# Altium PCB 水杯V1.2_ZM_20210817.PcbDoc (continued)
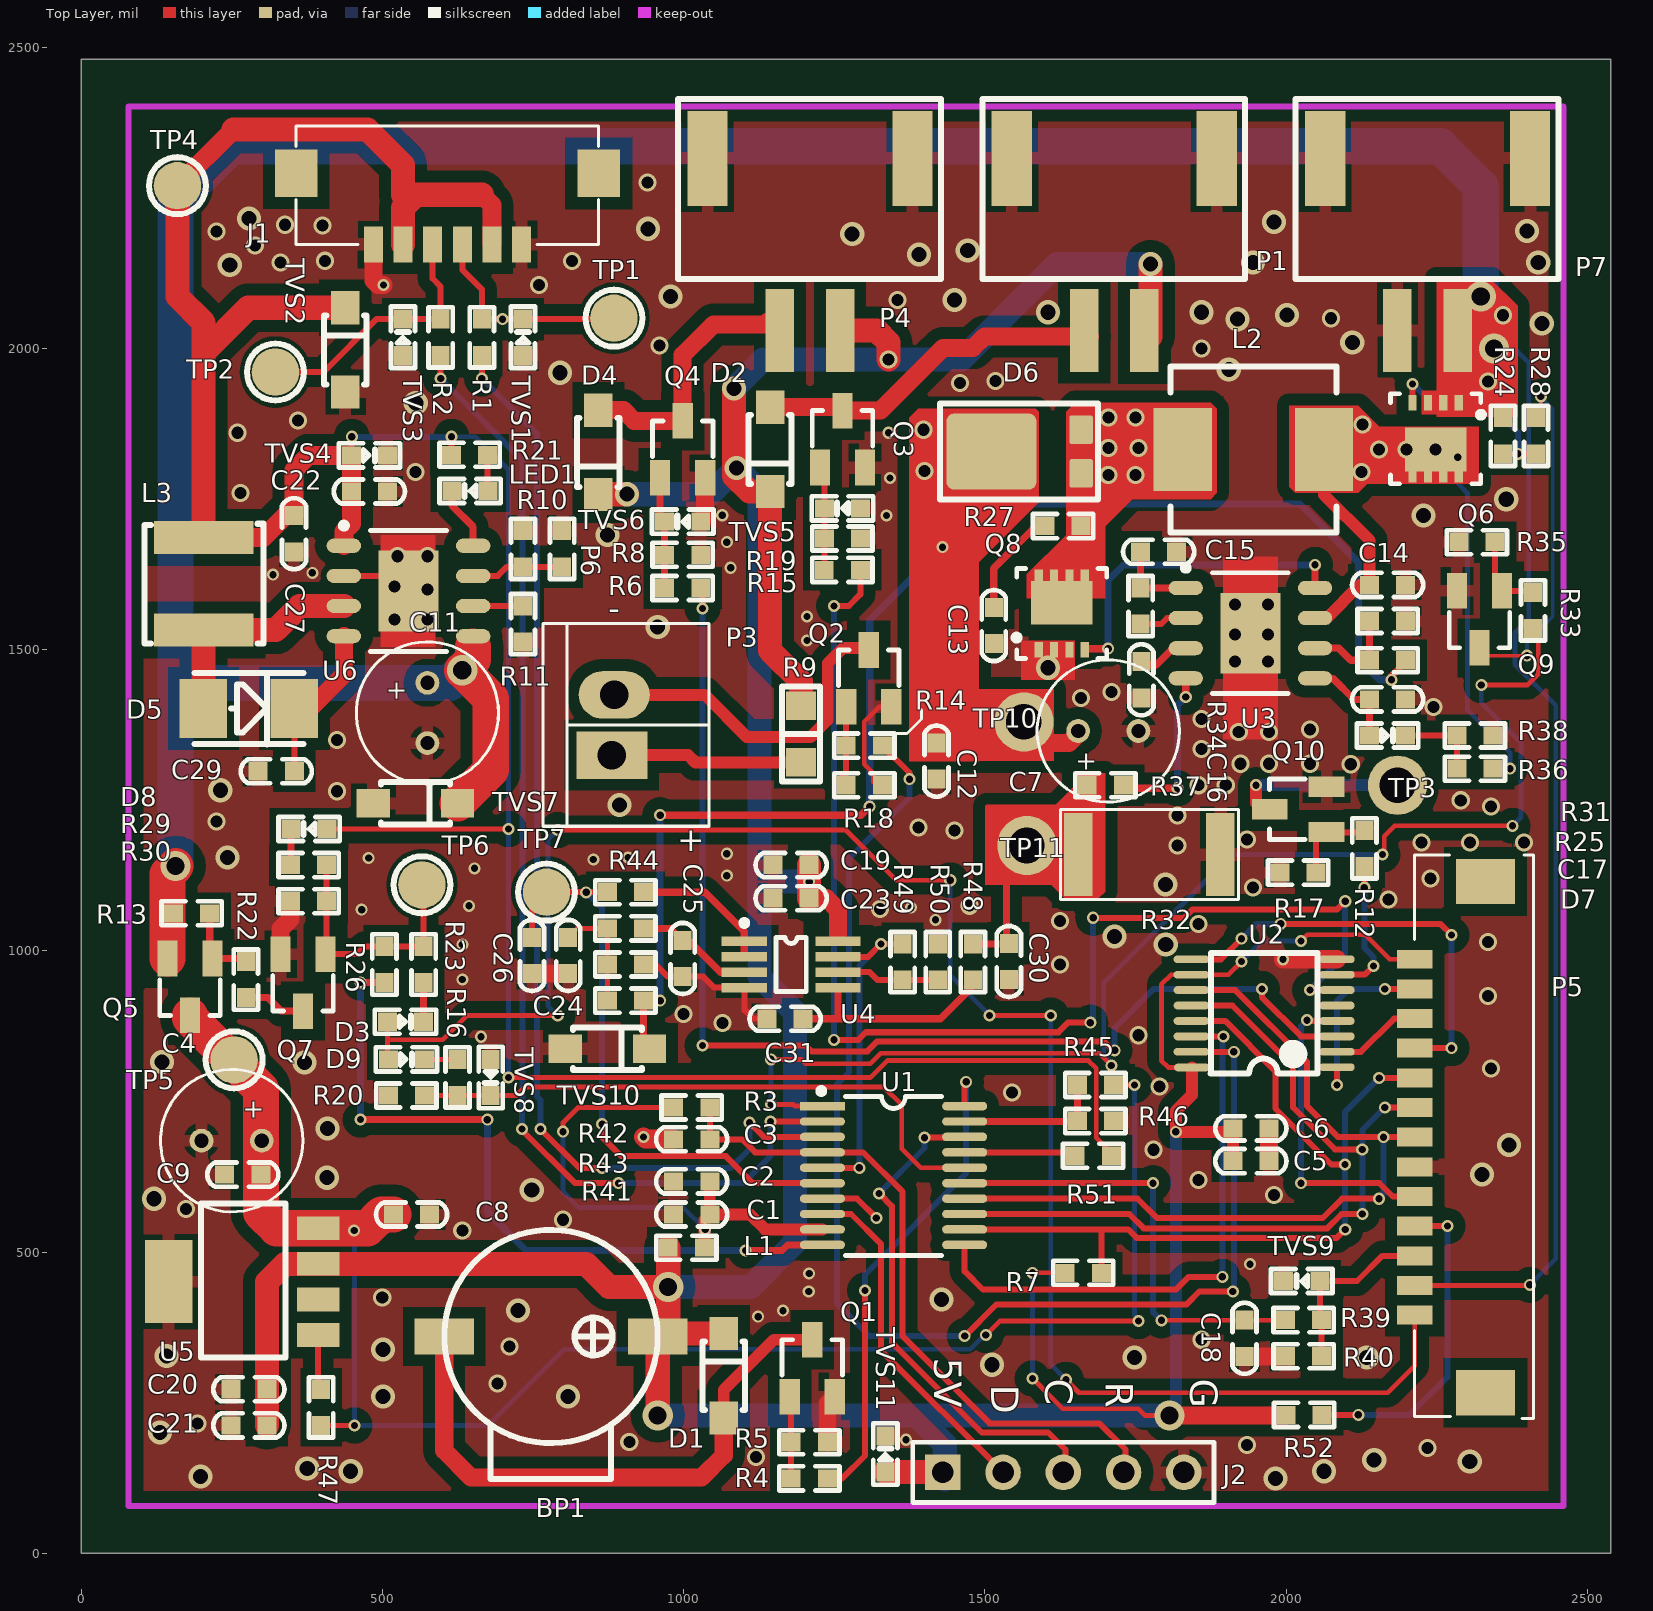
[diagram p0: Top Layer view]
## Footprints (in the part's own frame and the unit in brackets; to place one, negate y for a bottom-side part, rotate by r counter-clockwise, add the part's x,y. Pads: shape width x height; smd on the part's side, far side on the other; paste and mask are expansions set on the pad) (continued)
TP [mm] "Test Point"
  round 2 smd: 1(0,0)
  silkscreen extent -1.2,-1.2 1.2,1.2
TSSOP20 [mm] "20-pin, 4.40 mm body, 0.65"
  rect 1.9x0.356 smd: 1(-3,2.921)
  oval 1.9x0.356 smd: 2(-3,2.271) 3(-3,1.621) 4(-3,0.971) 5(-3,0.321) 6(-3,-0.329) 7(-3,-0.979) 8(-3,-1.629) 9(-3,-2.279) 10(-3,-2.929) 11(3,-2.929) 12(3,-2.279) 13(3,-1.629) 14(3,-0.979) 15(3,-0.329) 16(3,0.321) 17(3,0.971) 18(3,1.621) 19(3,2.271) 20(3,2.921)
  silkscreen extent -3.17,-3.38 2.03,3.68, body extent -3.27,-3.3 3.28,3.3, height 1.2

## Part data
BP1: library part SPEAKER, "无源蜂鸣器 3.3V 频率2731"
C1 C2 C3 C5 C6 C9 C12 C13 C14 C15 C16 C17 C18 C19 C23 C24 C25 C29 C30 C31: library part CAP4, "贴片电容 10%"
C4 C7 C11: library part CAP2, "电解电容"
C8 C20 C27: library part CAP, "Capacitor"
C21: library part C, "C"
C22: library part CAP4, "贴片电容 20%"
C26: library part C, "贴片电容 10%"
D1 D2 D3 D4 D7 D8 D9: library part DIODE2, "小封装二极管"
D5 D6: library part DIODE2, "肖特基二极管"
J1: library part SIP-6, "USB 3.1 Type-C 2.0短体母座 6P贴片式"
J2: library part SIP-5, "下载口(NC)"
L1: library part CIZHU1, "贴片磁珠100R 100M"
L2 L3: library part Inductor1, "10uH 1A"
LED1: library part LED0, "LED 3528 蓝"
P1 P4 P7: library part SIP-2, "间距2.0mm 立贴 2Pin"
P3: "Header, 2-Pin"
P5: "Header, 13-Pin"
P6: library part RES3, "卧贴"
Q1 Q2 Q7 Q9 Q10: library part NPN-1, "NPN"
Q3 Q4 Q8: library part "MOSFET N", "MOSFET N"
Q5: library part "MOSFET P", "MOSFET P"
Q6: library part MOSFET-P-B, "MOSFET-P"
R1 R2 R3 R4 R5 R6 R7 R8 R9 R12 R14 R15 R17 R18 R19 R42 R45 R46 R48 R49 R50 R51: library part RES0, "贴片电阻 5%"
R10 R11 R44: library part R, "贴片电阻 1%"
R13 R16 R20 R21 R22 R23 R24 R25 R26 R27 R28 R29 R30 R31 R32 R33 R34 R35 R36 R37 R38 R39 R40 R47 R52: library part R, "贴片电阻 5%"
R41 R43: library part RES0, "贴片电阻 1%"
TP1 TP2 TP4 TP5 TP6 TP7: library part TP-1, "测试点"
TVS1 TVS2 TVS3 TVS4 TVS5 TVS6 TVS7 TVS8 TVS9 TVS10 TVS11: library part TVS-1, "ESD二极管"
U1: "新唐MCU"
U2: "逻辑IC"
U4: library part LM358, "运放"
U6: library part CS5095E

## Via types
v1: diameter 20, hole 12, Top Layer to Bottom Layer, tented both sides, 138 vias
v2: diameter 30, hole 20, Top Layer to Bottom Layer, tented both sides, 105 vias
v3: diameter 40, hole 25, Top Layer to Bottom Layer, tented both sides, 61 vias
v4: diameter 50, hole 30, Top Layer to Bottom Layer, tented both sides, 7 vias

## Nets (pads, with @x,y where several pads share a name; then routed paths per layer and width w, separated by ;. In a path a pad name is that pad's centre, name@x,y a point inside that pad or via, vN(x,y) a via of type N, cw(c..) or ccw(c..) an arc to the next point about the centre after c; other vN are vias at no path point)
CE: P5.8 U1.13 U2.12 | length 1344
  Top Layer w10: U1.13 1739.92,563.3 1763.62,539.6 2068.72,539.6 2092.42,563.3 v1(2126.65,563.3) ; U2.12 1910.83,909.34 2011.57,808.61 2011.57,740.36 2081.56,670.37 v1(2126.52,670.37) ; v1(2164.03,740.07) P5.8
  Bottom Layer w10: v1(2126.65,563.3) 2126.65,702.7 v1(2164.03,740.07)
CLK: P5.7 U1.14 U2.11 | length 1334.8
  Top Layer w10: U1.14 1753.5,588.89 1786.07,556.32 2060.52,556.32 2093.09,588.89 2153.89,588.89 v1(2154.17,588.61) ; U2.11 1915.75,934.93 2035,815.69 2035,742.3 2086.44,690.86 v1(2161.74,690.86) P5.7
  Bottom Layer w10: v1(2154.17,588.61) 2161.74,596.18 v1(2161.74,690.86)
DAT: U1.11 U2.14 | length 945.6
  Top Layer w10: U1.11 1466.71,468.2 1497.03,437.88 1817.13,437.88 1838.27,459.02 v1(1894.29,459.02) ; U2.14 1895.72,858.16 v1(1895.97,857.92)
  Bottom Layer w10: v1(1894.29,459.02) 1894.29,856.24 v1(1895.97,857.92)
GND: C1.1 C2.1 C3.2 C4.2 C5.1 C6.1 C7.2 C8.2 C9.1 C11.2 C12.2 C13.2 C14.1 C15.1 C16.1 C17.1 C18.1 C19.1 C20.2 C21.1 C22.1 C23.1 C24.1 C25.1 C26.2 C27.2 C29.1 C30.1 C31.1 J1.1 J1.6 J2.5 P1.3 P1.4 P4.3 P4.4 P5.6 P6.1 P7.2 P7.3 P7.4 Q1.2 Q2.2 Q3.2 Q4.2 Q7.2 Q8.3 Q9.2 Q10.2 R5.2 R8.1 R10.1 R11.1 R17.2 R18.2 R19.1 R20.1 R30.1 R31.2 R32.1 R35.1 R38.2 R40.1 R43.1 R46.2 R50.2 TVS1.1 TVS2.1 TVS3.1 TVS4.2 TVS5.1 TVS6.1 TVS7.1 TVS8.1 TVS9.2 TVS10.1 TVS11.2 U1.7 U2.8 U3.9 U4.4 U5.5 U6.2 U6.9 | length 1289.8
  Top Layer w8: R18.2@1315,1280 1315,1295 1300,1310 1300,1380 1325,1405 Q2.2
  Top Layer w10: U6.2 518.6,1622.43 U6.9 ; R43.1 953.6,977.43 973.6,957.43 C25.1 1032.78,957.43 1051.16,939.05 U4.4 1100.85,901.3 1102.13,901.3 1116,887.43 C31.1 ; U1.7 1287.92,588.89 v1(1319.96,556.84)
  Top Layer w30: Q7.2 331.2,1036.2 347.6,1052.6 R30.1 ; J1.6 485.18,2112.86 492.7,2105.33 v1(502.16,2105.33) ; C26.2 C24.1 ; TVS6.1@1036.01,1719.84 Q4.2 ; R5.2 1238.76,247.95 Q1.2 ; C18.1 1998.91,327.08 R40.1 ; C5.1 C6.1 ; v1(1994.89,986.11) U2.8
  Top Layer w31.5: v1(933.6,691.25) 936.83,688.03 C3.2@983.6,688.03
  other v1: 1369.4,188.64 1123.89,392.89 1165,402.93 1207.84,434.86 1208.6,464.64 1940,480 663.97,857.52 632.82,952.59 632.82,1010.42 1418.2,1051.55 465.82,1068.48 1377.5,1071.73 644.05,1074.9 1071.91,1124.91 653.1,1137.09 850.31,1151.81 477.49,1154.06 907.95,1155.11 1071.91,1161.21 1205,1515 1205,1555 318.7,1624.46 383.95,1627.46 1078.34,1635.91 1071.91,1678.34 1337.09,1722.43 1064.26,1723.04 1342.77,1784.8 1340,1860
  other v2: 1120,160 2235,175 1935,180 910,185 193.5,215.81 690.96,282.22 711.29,343.37 1859.94,354.68 500,425 632.82,535.98 799.97,553.81 174.35,571.75 1980,595 1855,620 1780,670 1545,765 1790,775 2340,805 1755,860 1065,880 1000,895 2335,925 1625.08,977.43 2335,1015 1855,1045 1625.08,1049.54 1325.81,1069.2 1475,1075 2170,1085 1945,1105 2240,1120 1820,1175 2225,1180 2305,1180 2395,1180 1935,1185 1450,1200 1390,1205 225,1215 1820,1225 2340,1240 2290,1250 425,1265 1855,1275 1900,1275 2107.4,1309.82 1924.33,1310.6 1971.88,1310.6 2040,1310.6 1860,1335 425,1350 1921.55,1363.4 1971.88,1363.4 2039.58,1367.46 1860,1385 2245,1405 1660,1420 1710,1430 1915,1480 1970,1480 1915,1525 1970,1525 520,1550 575,1550 1915,1575 1970,1575 575,1600 520,1605 525,1655 575,1655 265,1760 555,1795 260,1860 360,1880 1459.04,1942.49 1517.98,1946.22 1860,2000 960,2005 2075,2050 1355,2080 760,2105 331.2,2142.82 404.99,2145.41 815,2145 288.61,2170.66 224.92,2194.27 401.15,2204.15 338.56,2205.24 940,2275
  other v3: 1982.39,124.54 198.6,127.69 447.63,136.43 2062.87,136.43 375.54,140.8 2304.94,152.59 2146.35,154.99 130.88,200.87 501.15,260.19 808.6,260.19 1512.28,313.16 1748.41,324.96 2133.94,324.96 141.81,327.57 501.15,338.49 725.05,402.93 1427.88,421.71 121.05,588.61 748.07,603.4 408.31,623.56 2325.25,628.71 2369.99,677.82 409.4,705.48 371.17,814.7 134.16,815.79 1800.33,1010.42 1715.55,1023.89 1800,1110 242.93,1154.72 893.63,1242.15 231.19,1266.65 1605,1470 957.17,1537.43 873.6,1690 2228.1,1722.43 2365.52,1749.62 555.56,1909.63 795.03,1959.61 1905,1965 2110,2010 2424.5,2041.24 1919.23,2048.43 2001.39,2055.14 1605,2060 1860,2060 1450,2080 978.6,2086.25 246.87,2138.52 1945.01,2142.82 2418.6,2142.82 1391.16,2155.85 1471.73,2162.56 1280,2190 2400,2195 941.26,2198.52 1980,2210 278.85,2215.28
IS: C30.2 R32.2 R37.1 R48.2 TP11.1 | length 264.3
  Top Layer w11.81: R48.2 1539,1011.43 C30.2 1536.1,1016.33 1536.1,1215
IS_ADC: R49.2 U1.5 U4.7 | length 563.5
  Top Layer w10: U1.5 v1@1291.69,640.07 ; U4.7 1306.38,990.23 v1(1327.58,1011.43) R49.2
  Bottom Layer w10: v1(1291.82,639.95) 1291.82,975.67 v1(1327.58,1011.43)
KEY_PUMP+: P5.4 R52.1 | length 540.8
  Top Layer w10: R52.1 v1(2120,230) ; P5.4 v1(2268.22,543.22)
  Bottom Layer w10: v1(2120,230) 2205,230 2268.22,293.22 v1(2268.22,543.22) ; v1@2270,543.22 v1@2270,545
KEY_PUMP-: P5.3 R39.2 R40.2 TVS9.1 | length 307.7
  Top Layer w10: R40.2@2063.95,322.35 R40.2 R39.2 2056.18,390.13 TVS9.1 2117.84,452.08 2159.77,494.01 P5.3
LED_BLUE: R14.1 U2.15 | length 2173.4
  Top Layer w10: R14.1 1375,1295.76 v1(1375,1285) ; v1(1466.71,360.77) 1519.4,413.46 1834.95,413.46 1856.36,434.86 v1(1911.71,434.86) ; U2.15 1913.17,832.57 v1(1913.29,832.46)
  Bottom Layer w10: v1(1375,1285) 1375,1253.99 1275,1153.99 1275,798.99 1254.53,778.53 1254.53,414.96 1308.72,360.77 v1(1466.71,360.77) ; v1(1911.71,434.86) 1913.29,436.44 v1(1913.29,832.46)
LED_BLUE2: R12.1 U2.7 | length 242.7
  Top Layer w10: U2.7 2130.52,960.52 v1(2145,975) ; v1(2130,1105) R12.1
  Bottom Layer w10: v1(2130,1105) 2130,1005 2145,990 v1(2145,975) v1@2145,970
LED_DIA1: P5.5 U2.4 | length 522.4
  Top Layer w10: v1(2025,614.48) 2155.17,614.48 2177.22,592.43 P5.5 ; v1(2035,885) 2036.25,883.75 U2.4
  Bottom Layer w10: v1(2025,614.48) 2025,875 v1(2035,885)
LED_DIA2: U2.5
LED_GREEN: P5.12 U2.1 | length 298.5
  Top Layer w10: v1(2084.51,777.43) U2.1 ; v1(2164.05,936.92) 2200.6,936.92 P5.12@2200.6,942.31
  Bottom Layer w10: v1(2084.51,777.43) 2084.51,916.44 2104.99,936.92 v1(2164.05,936.92)
LED_RED: P5.11 U2.2 | length 151.9
  Top Layer w10: U2.2 2124.15,832.57 2179.29,887.71 P5.11
NetBP1_2: BP1.2 D1.1 Q1.3 | length 977
  Top Layer w19.68: D1.1 1066.8,271.5 1149.98,354.68 Q1.3
  Top Layer w30: BP1.2 602.83,170.47 647.25,126.06 1029.98,126.06 1066.8,162.88 D1.1
NetC13_1: C13.1 R27.2 | length 174
  Top Layer w11.81: C13.1 1515,1635 1585,1705 R27.2@1595,1705
NetC15_2: C15.2 R34.1 U3.1 | length 135
  Top Layer w11.81: C15.2 R34.1 U3.1
NetC16_2: C16.2 U3.3 | length 85
  Top Layer w11.81: C16.2@1760,1475 1785,1475 1812.43,1502.43 U3.3
NetC17_2: C17.2 D7.1 U3.5 | length 164.9
  Top Layer w11.81: U3.5 2077.57,1452.43 2112.57,1417.43 C17.2 D7.1
NetC18_2: C18.2 R39.1 U1.15 | length 752.3
  Top Layer w8: v1(1793.13,386.86) 1793.35,387.08 C18.2 1998.91,387.08 R39.1
  Top Layer w10: U1.15 v1(1779.1,614.48)
  Bottom Layer w10: v1(1779.1,614.48) 1779.1,400.89 v1(1793.13,386.86) v1@1793.38,386.61
NetC24_2: C24.2 R41.1 R42.2 R43.2 | length 191.2
  Top Layer w8: C24.2 823.6,1037.43 R42.2 R43.2 R41.1
NetC25_2: C25.2 R42.1 U4.3 | length 197.4
  Top Layer w11.81: R42.1 978.6,1037.43 C25.2 1008.6,1017.43 1061.4,964.64 U4.3
NetC26_1: C26.1 R44.1 TP7.1 U1.6 | length 1000.3
  Top Layer w10: C26.1 748.6,1073.39 TP7.1 R44.1 ; v1(865.03,712.41) 865.03,691.02 896.64,659.4 1070.17,659.4 1115.09,614.48 U1.6
  Bottom Layer w10: v1(838.49,1097.28) 865.03,1070.74 v1(865.03,712.41)
NetC29_2: C29.2 D5.2 U6.4 | length 273.7
  Top Layer w10: D5.2 354,1298.2 C29.2
  Top Layer w30: D5.2 380.1,1402.43 436.32,1458.65 U6.4
NetC31_2: C31.2 R48.1 U4.5 | length 360.7
  Top Layer w11.81: C31.2 1426.31,887.43 1480.27,941.4 R48.1 ; 1256.36,892.43 U4.5
NetD2_1: D2.1 P1.2 Q3.3 | length 584.5
  Top Layer w30: D2.1 1258.11,1902.43 Q3.3 1326.79,1896.79 1430.33,2000.33 1480,2000.33 1499.24,2019.57 P1.2@1674.92,2019.57
NetD3_2: D3.2 R23.2 | length 65
  Top Layer w11.81: D3.2 R23.2
NetD4_1: D4.1 P4.2 Q4.3 | length 420.8
  Top Layer w30: D4.1 900.49,1897.43 918.25,1879.68 Q4.3 998.6,1988.6 1049.57,2039.57 1134.98,2039.57 P4.2@1139.95,2044.54
NetD5_1: D5.1 L3.2 U6.3 | length 379.4
  Top Layer w40: D5.1 203.6,1402.83 L3.2 323.09,1532.43 363.09,1572.43 U6.3
NetD6_1: D6.1 L2.2 Q8.2 R27.1
  other v2: 1705,1790 1750,1790 1705,1835 1755,1835 1705,1885 1750,1885
NetD7_2: D7.2 R36.1 R38.1 | length 140
  Top Layer w10: D7.2 R38.1 R36.1
NetD8_2: D8.2 R29.1 | length 41.8
  Top Layer w11.81: 348.6,1160.68 D8.2
NetD9_2: D9.2 R16.2 | length 55
  Top Layer w8: D9.2 R16.2
NetJ1_3: J1.3 R1.1 TP1.1 TVS1.2 | length 357.4
  Top Layer w10: J1.3 632.82,2130.43 665.27,2097.97 R1.1 v1(699.44,2048.43) TVS1.2 882.89,2048.43 TP1.1
NetJ1_4: J1.4 R2.1 TP2.1 TVS3.2 | length 440.2
  Top Layer w10: TP2.1 402.45,1960.67 490.22,2048.43 TVS3.2 R2.1 596.94,2102.63 583.6,2115.96 J1.4
NetLED1_1: LED1.1 R21.2 | length 60.4
  Top Layer w10: R21.2 674.81,1764.36 LED1.1
NetLED1_2: LED1.2 U6.8 | length 105.5
  Top Layer w11.81: LED1.2 615.81,1738.93 650.89,1703.85 U6.8
NetP3_1: P3.1 R9.1 | length 319
  Top Layer w20: P3.1 1007.76,1325 1020,1312.76 R9.1
NetP3_2: P3.2 Q2.3 | length 569.2
  Top Layer w19.68: P3.2 1035,1425 1105,1355 1210.95,1355 1239.43,1383.47 1239.43,1477.42 1265,1503 1303.89,1503 Q2.3
NetP6_2: P6.2 R10.2 U6.7 | length 153.9
  Top Layer w10: U6.7 691.7,1622.43 706.7,1637.43 R10.2 P6.2
NetQ1_1: Q1.1 R4.2 R5.1 | length 136.7
  Top Layer w10: Q1.1 1178.76,257.63 R5.1 R4.2
NetQ2_1: Q2.1 R14.2 R18.1 | length 131.2
  Top Layer w10: R18.1@1255,1280 1270,1295 R14.2 Q2.1@1270,1405
NetQ3_1: Q3.1 R15.2 R19.2 TVS5.2 | length 173
  Top Layer w10: Q3.1 1233.76,1794.9 TVS5.2 R19.2 1233.76,1632.59 R15.2
NetQ4_1: Q4.1 R6.2 R8.2 TVS6.2 | length 185.8
  Top Layer w11.81: Q4.1 961.2,1719.84 TVS6.2 R8.2 R6.2
NetQ5_1: Q5.1 R13.2 R22.2 | length 134.3
  Top Layer w11.81: R13.2 213.6,992.24 Q5.1 268.6,987.43 R22.2
NetQ6_1: Q6.1 R24.2 R28.1 | length 332.9
  Top Layer w10: Q6.1 v1(2210,1941) ; R24.2@2361.47,1823.93 2364.03,1826.49 2365.53,1825 v1(2385,1825) 2412.41,1825 2413.9,1826.49 R28.1@2416.47,1823.93
  Bottom Layer w10: v1(2210,1941) 2246,1905 2340,1905 2385,1860 v1(2385,1825)
NetQ7_1: Q7.1 R23.1 R26.2 R29.2 R30.2 TP6.1 | length 419.7
  Top Layer w10: R29.2 R30.2 407.6,996.28 Q7.1 457.65,994.68 470.4,1007.43 R26.2 R23.1 568.6,1107.04 TP6.1
NetQ7_3: Q7.3 R22.1 | length 104.2
  Top Layer w11.81: R22.1 309.98,922.43 332.23,900.19 Q7.3
NetQ8_1: Q8.1 U3.8 | length 542.5
  Top Layer w11.81: Q8.1@1668.39,1501.54 v1@1704.8,1501.54 ; U3.8 v1(2048.17,1640.74)
  Bottom Layer w11.81: v1(1704.8,1501.57) 1704.8,1615.54 1730,1640.74 v1(2048.17,1640.74)
NetQ9_1: Q9.1 R33.2 R35.2 | length 145.9
  Top Layer w10: R35.2 2346.93,1608.91 Q9.1 R33.2@2418.6,1597.43
NetQ9_3: Q9.3 R28.2 | length 573.8
  Top Layer w6: Q9.3 2333.95,1490 v1(2400,1490) ; R28.2@2422.87,1886.49 2422.87,1919.86 v1(2422.96,1919.95)
  Bottom Layer w6: v1(2400,1490) 2400,1512.31 2442.87,1555.17 2442.87,1900.05 v1(2422.96,1919.95)
NetQ10_1: Q10.1 R12.2 R17.1 | length 156.4
  Top Layer w10: R17.1 2050,1190.3 2056.25,1196.55 2131.55,1196.55 R12.2@2140,1205
NetQ10_3: Q10.3 TP3.1 | length 280.9
  Top Layer w20: v1(1950,1275) 1950,1245.71 Q10.3@1961.76,1233.95
  Bottom Layer w20: v1(1950,1275) TP3.1
NetR11_2: R11.2 U6.6 | length 82.7
  Top Layer w10: U6.6 R11.2
NetR16_1: R16.1 R20.2 TVS8.2 U1.16 | length 1000.6
  Top Layer w8: R20.2 R16.1 TVS8.2 721.98,760 735.88,773.9 1332.67,773.9 1362.25,744.31 1362.25,671.46 1393.64,640.07 U1.16
NetR25_2: R25.2 R31.1 U3.6 | length 163.7
  Top Layer w11.81: U3.6 2087.57,1502.43 2107.57,1482.43 R25.2 R31.1
NetR26_1: R26.1 U1.10 | length 1217.2
  Top Layer w11.81: v1(463.77,720.2) 464.08,719.89 v1(674.4,719.89) ; v1(463.77,947.43) R26.1 ; v1(1102.87,502.94) 1163.41,502.94 1172.59,512.12 U1.10
  Bottom Layer w11.81: v1(463.77,720.2) v1(463.77,947.43) ; v1(674.4,719.89) 674.4,567 738.46,502.94 v1(1102.87,502.94)
NetR33_1: R33.1 U1.1 | length 2140.4
  Top Layer w8: v1(1145,820) 1195.29,820 1202.6,812.69 1310,812.69 1327.31,830 1690,830 v1(1710,810) ; v1@1147.57,742.43 v1(1145,745) 1182.43,745 1185,742.43 U1.1 ; v1(2160,1160) 2163,1163 2163,1190.34 2180.27,1207.61 v1(2375.93,1207.61) ; v1(2324.16,1441.38) 2401.05,1441.38 2418.6,1458.93 R33.1@2418.6,1537.43
  Bottom Layer w8: v1(1145,745) v1(1145,820) ; v1(1710,810) 1710,815.03 1697.55,827.48 1697.55,947.23 1910.32,1160 v1(2160,1160) ; v1(2324.16,1441.38) 2324.16,1411.68 2390,1345.85 2390,1221.68 v1(2375.93,1207.61)
NetR34_2: R34.2 U3.2 | length 79.1
  Top Layer w10: R34.2 1792.43,1542.43 1802.43,1552.43 U3.2
NetR37_2: R37.2 U3.4 | length 280.1
  Top Layer w11.81: R37.2 1735,1270 v1(1820,1270) ; v1(1833.6,1421.4) U3.4
  Bottom Layer w11.81: v1(1820,1270) 1820,1407.79 v1(1833.6,1421.4)
NetR44_2: R44.2 U4.1 U4.2 | length 236.4
  Top Layer w11.81: R44.2 1035.86,1097.43 1100.85,1032.44 U4.1 U4.2
NetR47_2: R47.2 U5.1 | length 92.1
  Top Layer w10: U5.1 393.6,277.43 R47.2
NetR49_1: R49.1 R50.1 U4.6 | length 171
  Top Layer w10: U4.6 1308.99,964.64 1322.2,951.43 R49.1 R50.1
NetR51_1: R51.1 U1.17 | length 185.6
  Top Layer w10: U1.17 1644.34,665.66 R51.1
OCDDA: J2.2 U1.8 | length 580.8
  Top Layer w10: U1.8 1277.95,563.3 1327.58,513.66 1327.58,337.42 J2.2
OCDDCK: J2.3 U1.18 | length 858.6
  Top Layer w10: v1(1324.56,597.46) 1345.73,576.29 1345.73,350.12 1495.13,200.72 1605.32,200.72 1633.6,172.43 J2.3@1633.6,122.43 ; v1(1400,690) 1465.46,690 U1.18
  Bottom Layer w10: v1(1324.56,597.46) 1400,672.9 v1(1400,690)
OE: P5.9 R7.1 U1.12 U2.13 | length 1439.6
  Top Layer w10: U1.12 1694.94,537.71 ; R7.1 1693.45,536.23 1694.94,537.71 ; U2.13 1899.02,883.75 1982.39,800.38 1982.39,738.45 2075.4,645.44 v1(2097.72,645.44) ; v1(2098.27,537.71) 2084.14,523.59 1752.08,523.59 1737.96,537.71 1694.94,537.71 ; v1(2154.66,789.28) P5.9
  Bottom Layer w10: v1(2098.27,537.71) 2098.27,732.89 v1(2154.66,789.28)
PUMP: R6.1 U2.3 | length 1936.6
  Top Layer w10: R6.1 1031.64,1599.4 v1(1031.64,1568.39) ; v1(1031.64,842.87) 1202.6,842.87 1212.04,833.43 1305,833.43 1321.57,850 1697.49,850 1714.05,833.43 v1(1715.55,834.93) ; v1(1960,936.92) 1960,923.16 2025,858.16 U2.3
  Bottom Layer w10: v1(1031.64,842.87) v1(1031.64,1568.39) ; v1(1715.55,834.93) 1715.55,871.99 1780.48,936.92 v1(1960,936.92)
PWR_KEY+: C11.1 P5.2 P7.1 Q5.2 Q6.3 R13.1 R24.1 TVS7.2 U6.5 | length 6389.1
  Top Layer w8: P5.2 2403.64,444.8 v1(2404.67,445.82) ; 2303.6,1910 2325.1,1910 2348.6,1886.49 R24.1@2367.87,1886.49
  Top Layer w60: Q5.2 143.6,1127.43 v4(157.1,1140.93) ; TVS7.2 680,1300 680,1418.65 v4(632.82,1465.83) 650.89,1483.91 650.89,1505
  Bottom Layer w8: v4(2345,1999.68) 2379.75,1999.68 2403,1976.43 2403,1551.08 2380,1528.08 2380,1475 2447.63,1407.37 2447.63,488.78 v1(2404.67,445.82)
  Bottom Layer w60: v4(157.1,1140.93) 157.1,1444.93 ; v4(632.82,1465.83) 611.91,1444.93 157.1,1444.93 ; v4(2323.17,2086.25) 2323.17,2268.52 2256.14,2335.56 249.17,2335.56 157.1,2243.49 157.1,1444.93
  other v2: 2335,1945 2360,2055
PWR_KEY-: D3.1 D9.1 P5.1 | length 3023.9
  Top Layer w8: D9.1@508.6,822.43 508.6,852.43 ; D3.1 508.6,852.43 ; v1(791.25,893) 640.98,893 600.42,852.43 508.6,852.43 ; v1(791.25,1200.57) 1269.69,1200.57 1352.96,1117.3 v1(1442.67,1117.3) ; v1(1507.67,893) v1(1609.47,893) ; v1(1634.82,288.26) 1656.44,266.65 2168.98,266.65 2213.6,311.27 P5.1
  Bottom Layer w8: v1(791.25,893) 775,909.25 775,1184.32 v1(791.25,1200.57) ; v1(1442.67,1117.3) 1442.67,959.33 v1@1507.67,894.33 ; v1(1609.47,893) 1609.47,313.61 v1(1634.82,288.26)
RST: C3.1 J2.4 R3.2 U1.4 | length 1146.5
  Top Layer w10: R3.2 C3.1 1097.2,687.28 1118.82,665.66 U1.4 1297.94,665.66 1363.6,600 1363.6,360.47 1508.09,215.99 1690.29,215.99 1733.6,172.67 J2.4@1733.6,122.43
RXD: R1.2 U1.3 | length 1885.7
  Top Layer w10: v1(665.27,1950) R1.2 ; v1(762.62,704.22) 827.05,639.79 v1(865.03,639.79) ; v1(1109.56,714.79) 1133.09,691.25 U1.3
  Bottom Layer w10: v1(665.27,1950) 756.7,1858.57 756.7,758.8 762.62,752.89 v1(762.62,704.22) ; v1(865.03,639.79) 1078.61,639.79 1109.56,670.74 v1(1109.56,714.79)
SATA: C22.2 C27.1 D8.1 J1.2 J1.5 L3.1 R21.1 R51.2 TP4.1 TVS2.2 TVS4.1 U6.1 | length 4968.9
  Top Layer w8: D8.1 v1(709.56,1202.43) ; v1(709.56,789.77) 1309.77,789.77 1338,818 1672,818 1685,805 1685,690 1710,665 R51.2
  Top Layer w10: TVS4.1 448.6,1852.51 v1(449.41,1853.32) ; R21.1 v1(614.81,1853.32)
  Top Layer w31.5: TP4.1 253.36,2363.36 ; L3.1 302.58,1685.98 339.03,1722.43 C27.1 353.6,1798.09 377.94,1822.43 TVS4.1 C22.2 448.6,1708.46 436.32,1696.18 U6.1 ; 665.27,2255 682.03,2238.24 J1.2
  Top Layer w40: TP4.1 160,2086.25 203.6,2042.65 203.6,1993.43 ; L3.1 203.6,1993.43 ; 253.36,2363.36 475.33,2363.36 534.39,2304.3 534.39,2255 555.99,2255 ; TVS2.2 277.61,2067.43 203.6,1993.43 ; J1.5 534.39,2233.41 555.99,2255 ; 665.27,2255 555.99,2255
  Bottom Layer w8: v1(614.81,1853.32) 654.63,1853.32 709.56,1798.4 v1(709.56,1202.43) v1(709.56,789.77)
  Bottom Layer w10: v1(449.41,1853.32) v1(614.81,1853.32)
SPEAK: R4.1 U1.20 | length 809.1
  Top Layer w10: R4.1 1263.3,124.54 1301.16,162.4 v1(1301.16,436.4) ; U1.20 1466.71,780.32 v1(1469.08,782.68)
  Bottom Layer w10: v1(1301.16,436.4) 1301.16,462.81 1469.08,630.72 v1(1469.08,782.68)
SQH: P5.10 U2.9 | length 713
  Top Layer w10: U2.9 1891.93,986.11 v1(1926.18,1020.37) ; v1(1991.2,1044.9) 2256.23,1044.9 v1(2274.78,1026.35) ; P5.10 v1(2274.78,838.5)
  Bottom Layer w10: v1(1926.18,1020.37) 1950.71,1044.9 v1(1991.2,1044.9) ; v1(2274.78,838.5) v1(2274.78,1026.35)
TXD: R2.2 U1.2 | length 1954.3
  Top Layer w10: v1(596.94,1950) R2.2 ; v1(731.92,704.6) 731.92,702.58 820.01,614.48 v1(891.9,614.48) ; v1(1144.19,716.84) U1.2
  Bottom Layer w10: v1(596.94,1950) 732.43,1814.51 732.43,752.63 731.92,753.14 v1(731.92,704.6) ; v1(891.9,614.48) 1099.26,614.48 1144.19,659.41 v1(1144.19,716.84)
V24: C7.1 C12.1 D6.2 R25.1 R41.2 TP10.1 TVS10.2 | length 2397.3
  Top Layer w11.81: TVS10.2 933.6,847.43 R41.2 v1(961.2,917.43) ; v1(961.2,1225.21) 1294.76,1225.21 v1(1309.06,1239.51) ; v1(2175,1450) 2175,1456.04 2200,1481.04 R25.1
  Top Layer w30: TP10.1 1600,1345 1640,1345 C7.1@1655,1360
  Bottom Layer w11.81: v1(961.2,917.43) v1(961.2,1225.21) ; v1(1309.06,1239.51) 1309.06,1549.06 v1(1430,1670) 1501.81,1741.81 2023.19,1741.81 2120,1645 2120,1485 2155,1450 v1(2175,1450)
  other v2: 1399.74,1796.35 1398.6,1865
VALUE: R15.1 U2.6 | length 2072.7
  Top Layer w10: v1(1249.55,852.43) 1290,852.43 1302.57,865 1622.15,865 1637.95,880.8 v1(1675.18,880.8) ; v1(1249.55,1572.43) 1274.29,1572.43 1293.6,1591.75 R15.1 ; v1(1680,1055) 1831.06,1055 1845.06,1069 2084.83,1069 v1(2098.27,1082.43) ; v1(2039.58,934.93) U2.6
  Bottom Layer w10: v1(1249.55,852.43) v1(1249.55,1572.43) ; v1(1675.18,880.8) 1680,885.62 v1(1680,1055) ; v1(2039.58,934.93) 2098.27,993.62 v1(2098.27,1082.43)
VBAT_ADC: R45.2 R46.1 U1.19 | length 247.1
  Top Layer w11.81: U1.19 1653.01,716.84 R46.1 R45.2
VBAT_OUT: C4.1 C8.1 C9.2 Q5.3 R45.1 R47.1 TP5.1 U5.4 | length 2801.9
  Top Layer w8: R47.1 v1(454.12,212.43) ; v1(1501.72,362.43) 1524.87,385.58 v1(1755.32,385.58) ; R45.1 1716.65,774.39 1719.7,777.43 v1(1748.41,777.43)
  Top Layer w60: Q5.3 181.01,888.46 298.49,770.98 C9.2 298.49,565.79 324.67,539.6 U5.4 475.77,539.6 498.6,562.43 C8.1
  Bottom Layer w8: v1(453.48,535.98) 454.12,535.33 v1(454.12,212.43) 675.84,212.43 802.3,338.9 1475.78,338.9 1499.31,362.43 v1(1501.72,362.43) ; v1(1748.41,777.43) 1748.41,395.76 1756.95,387.22 v1(1755.32,385.58)
VCC: C1.2 C2.2 L1.2 R3.1 U1.9 | length 881.5
  Top Layer w8: v1(800,700) 800,715 825.07,740.07 R3.1
  Top Layer w19.68: L1.2 1034.6,553.43 C1.2 ; C2.2 C1.2 ; U1.9 1135.32,537.71 1110.6,562.43 C1.2
  Bottom Layer w8: v1(800,700) 800,600.24 826.29,573.95 999.77,573.95 v1(1036.01,537.71)
VCC_BAT: C14.2 L2.1 Q6.2 R36.2 U3.7 | length 950.4
  Top Layer w8: R36.2 v1(2371.55,1302.43)
  Top Layer w19.68: U3.7 2067.43,1552.43 2122.43,1607.43 C14.2 2138.6,1681.4 2062.87,1757.13 L2.1
  Bottom Layer w8: v1(2284.93,1819.37) 2284.93,1776.13 2301.04,1760.02 2301.04,1400 2371.55,1329.48 v1(2371.55,1302.43)
  other v2: 2125,1795 2154.17,1832.24 2200,1832.24 2248.39,1832.24 2126.65,1873.99
VIN: BP1.1 C5.2 C6.2 C19.2 C20.1 C21.2 C23.2 D1.2 D2.2 D4.2 J2.1 L1.1 P1.1 P4.1 P5.13 R7.2 R9.2 R52.2 TVS11.1 U2.10 U2.16 U4.8 U5.3 | length 8123.6
  Top Layer w8: v1(1579.34,290.31) 1629.5,240.15 1754.61,240.15 1765.77,228.99 v4(1806.81,228.99) ; v1(1579.34,465.76) R7.2 ; U2.16 1804.57,806.55 1793.13,817.99 1793.13,944.3 1809.35,960.52 U2.10 1904.27,960.52 v1(1926.18,982.43) ; v1(2025,1016.44) 2035.29,1026.73 2131.41,1026.73 2172.01,986.14 P5.13
  Top Layer w20: U2.16 1843.68,760.83 1817.13,734.27 v1(1817.13,699.71) 1905.94,699.71 C6.2 C5.2
  Top Layer w30: C23.2 1237.1,1087.43 1256.36,1068.18 1256.36,1028.27 ; v4(1806.81,228.99) R52.2@2000,228.99
  Top Layer w40: C21.2 C20.1 308.6,450.51 338.64,480.54 U5.3 838.52,480.54 876.63,442.44 v4(974.6,442.44) ; D4.2 859.15,1757.98 v3(906.04,1757.98) ; v4(957.17,228.99) BP1.1 BP1.1@962.11,364.95 ; L1.1 v4(974.6,442.44) ; D1.2 BP1.1@962.11,364.95 ; v3(1083.91,1933.34) 1083.91,1787.8 1109.28,1762.43 D2.2 1143.6,1498.31 1195,1446.92 R9.2 ; C23.2 v1(1208.6,1114.93) C19.2 ; P4.1 1320,2030 1340,2010 v2(1340,1981.49) ; TVS11.1 1430,135 J2.1 ; P1.1@1774.92,2019.57 v3(1774.92,2139.92) ; BP1.1@962.11,364.95 974.6,377.44 v4(974.6,442.44)
  Bottom Layer w8: v1(1579.34,290.31) v1(1579.34,465.76) ; v1(1926.18,982.43) 1960.19,1016.44 v1(2025,1016.44)
  Bottom Layer w20: v4(1806.81,228.99) 1817.13,239.3 v1(1817.13,699.71)
  Bottom Layer w40: v3(906.04,1757.98) 1044.09,1757.98 v3(1087.66,1801.55) 1125.95,1763.27 1125.95,1122.43 ; v4(957.17,228.99) 1386.11,228.99 ; v4(974.6,442.44) 1111.66,442.44 1185,515.78 1185,898.25 1125.95,957.31 1125.95,1122.43 ; v3(1083.91,1933.34) 1132.06,1981.49 v2(1340,1981.49) 1461.49,1981.49 1619.92,2139.92 v3(1774.92,2139.92) ; v1(1208.6,1114.93) 1133.45,1114.93 1125.95,1122.43 ; J2.1@1433.6,122.43 1433.6,181.49 1386.11,228.99 ; v4(1806.81,228.99) 1386.11,228.99
pads on no net: J1. J1.0 P5. P5.0 U5.2

## Polygon pours and split planes (outlines as drawn)
GND on Bottom Layer "Top Layer-No Net" (solid, remove dead copper, pour order 0): -116.49,2645.82 -25.24,2554.57 2720.57,2554.57 2720.57,-99.99 2699.83,-120.73 1351.81,-120.73 -75.01,-120.73 -236.77,41.04 -91.6,186.21 -91.6,2625.08
GND on Top Layer "Top Layer-No Net" (solid, remove dead copper, pour order 2): -53.15,2524.78 2578.79,2524.78 2578.79,-27.97 2507.14,-99.61 2484.52,-76.99 987.56,-76.99 -68.23,-76.99 -237.91,92.69 -68.23,262.37 -68.23,2404.12 -68.23,2479.53 -22.98,2524.78

## Keep-outs
Keep-Out Layer:
  lines w10: 78.74,78.74 2460.63,78.74 2460.63,2401.57 78.74,2401.57 78.74,78.74

## Other copper
Top Layer:
  rectangle net V24: 1450,1315 1615,1435
  rectangle net GND: 1895.41,1350.52 1986.51,1654.76
  rectangle net GND: 497.12,1504.25 588.42,1690.02
  rectangle net GND: 1560,1450 1650,1515
  rectangle net PWR_KEY+: 2225,1890 2290,1930
  region net PWR_KEY+: 2250,2115 2340,2115 2384.25,2070.76 2384.25,1886.16 2250,1886.16
  region net VCC_BAT: 2005,1905 2120,1905 2155,1870 2320,1870 2320,1775 2135,1775 2120,1760 2015,1760 2005,1770 2005,1880
  region net V24: 1390,1900 1375,1885 1375,1690 1375,1315 1490,1315 1490,1645 1590,1745 1590,1895 1585,1900
  region net NetD6_1: 1875,1910 1650,1910 1635,1895 1635,1690 1570,1625 1570,1585 1700,1585 1700,1705 1745,1750 1875,1750 1885,1760 1885,1900
  region net IS: 1648.39,1295 1699.98,1295 1699.98,1098.58 1687.89,1086.5 1633.5,1086.5 1610,1110 1500.55,1110 1500.55,1240.27 1502.56,1242.28 1617.56,1242.28 1648.39,1273.11

## Silkscreen, mask and mechanical layers (free items; w line width, h text height)
Top Overlay:
  lines w5: 1350,1360.76 1370.76,1360.76 1395,1385 1395,1400
  text "-" at 875,1550 h40
  text "+" at 990,1165 h40
  text "5V" at 1400,325 h78.74 r270
  text "C" at 1585,290 h78.74 r270
  text "G" at 1825,290 h78.74 r270
  text "R" at 1685,285 h78.74 r270
  text "D" at 1495,280 h78.74 r270
Bottom Overlay:
  text "电池" at 2325,2290 h78.74
  text "水阀" at 1775,2280 h78.74
  text "水泵" at 1255,2270 h78.74
  text "LED-" at 955,1530 h118.11
  text "ELE+" at 1660,1468.5 h118.11
  text "LED+" at 995,1165 h118.11
  text "ELE-" at 1645,995 h118.11
Mechanical 1:
  the board outline again, w5
Mechanical 3:
  lines w5: 2929.97,8961.16 2929.97,11323.36 2977.21,11323.36 ; 2977.21,8961.16 2977.21,11323.36 ; 4460.18,8961.16 4460.18,11323.36 3213.44,11323.36 2977.21,11323.36 ; 2929.97,7818.73 ccw(c3213.44,7818.73) 3213.44,7535.27 4460.18,7535.27 4460.18,7582.51 3213.44,7582.51 cw(c3213.44,7818.73) 2977.21,7818.73 2977.21,8353.96 2976.12,8353.96 2975.08,8353.95 2974.03,8353.94 2972.99,8353.94 2971.9,8353.93 2970.81,8353.92 2969.72,8353.91 2968.63,8353.91 2967.49,8353.9 2966.35,8353.89 2965.22,8353.88 2964.08,8353.87 2962.9,8353.86 2961.71,8353.85 2960.53,8353.84 2959.35,8353.83 2958.12,8353.82 2956.89,8353.81 2955.66,8353.8 2954.43,8353.79 2953.15,8353.78 2951.88,8353.76 2950.6,8353.75 2949.33,8353.74 2948.01,8353.73 2946.69,8353.71 2945.37,8353.7 2944,8353.68 2942.63,8353.67 2941.26,8353.65 2939.9,8353.64 2938.49,8353.62 2937.07,8353.61 2935.66,8353.59 2934.2,8353.57 2932.74,8353.55 2931.29,8353.53 2929.97,8353.52 2929.97,7818.73
Mechanical 15:
  lines w7.87: -18427.34,-8087.57 -15821.04,-8087.57 -15821.04,-5567.88 -18427.34,-5567.88 -18427.34,-8087.57

## Dimensions
0,2480.32 to 0,0 on Mechanical 1
0,0 to 2539.37,0 on Mechanical 1

## Text inside footprints (layer, text, board x,y; h text height)
C4: Top Overlay "+" at 268.38,722.71 h31.5
C7: Top Overlay "+" at 1686.62,1327.29 h31.5 r180
C11: Top Overlay "+" at 537.29,1413.38 h31.5 r90